# Altium PCB PRO.PcbDoc
Units mil, origin at the board's own origin, x right, y up, seen from the top; angles counter-clockwise.
Board outline 7000 x 3100 mil, 2 copper layers (Top Layer, Bottom Layer); 75 components, 157 nets, 600 pads, 100 vias.
Unrouted connection lines stored in the file: 54.
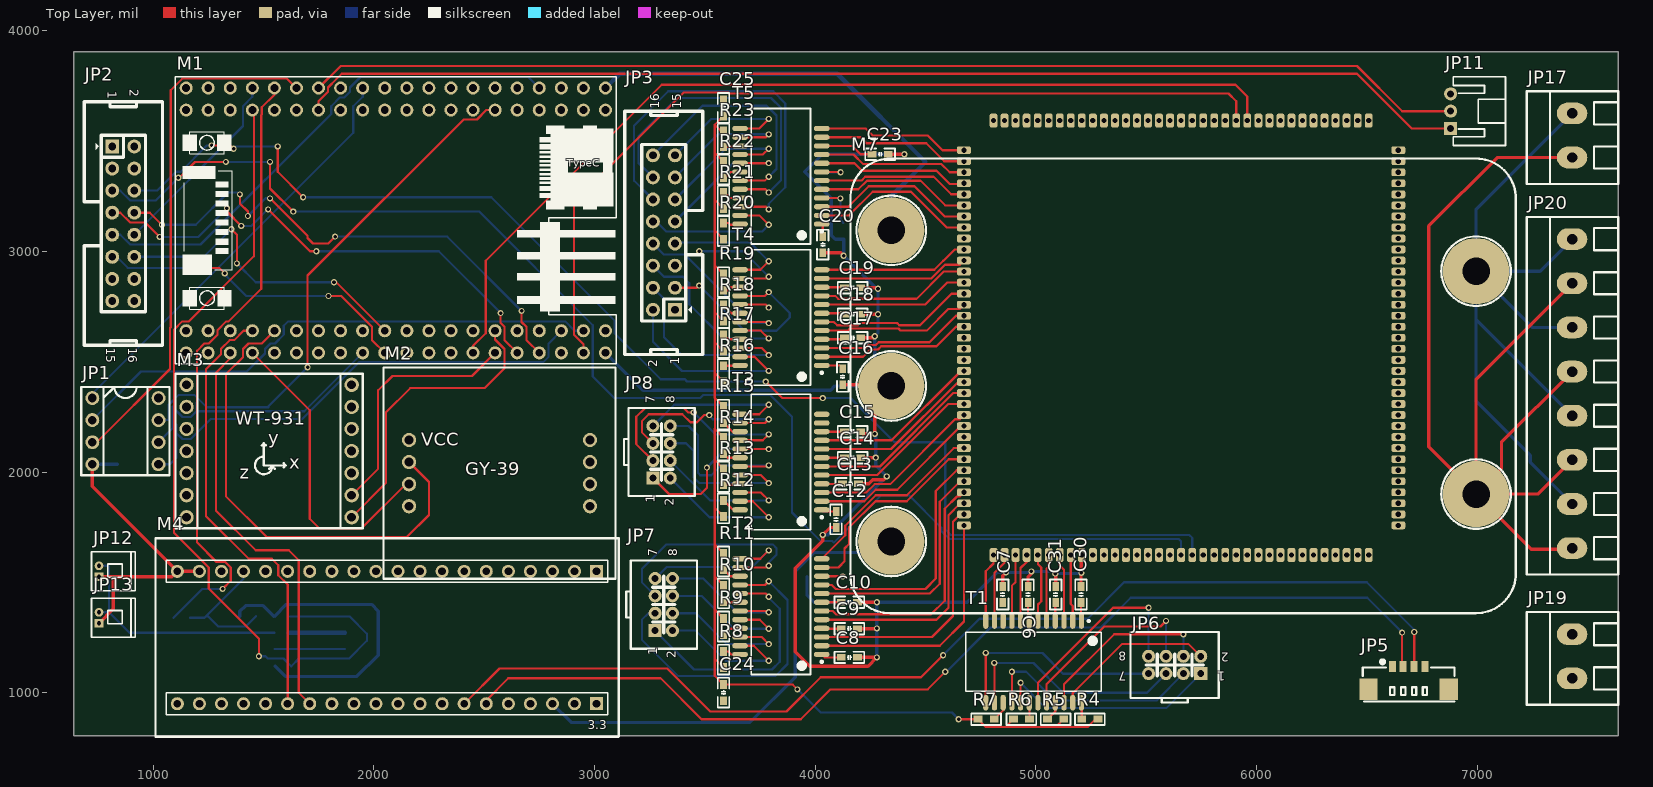
[diagram p0: Top Layer view]
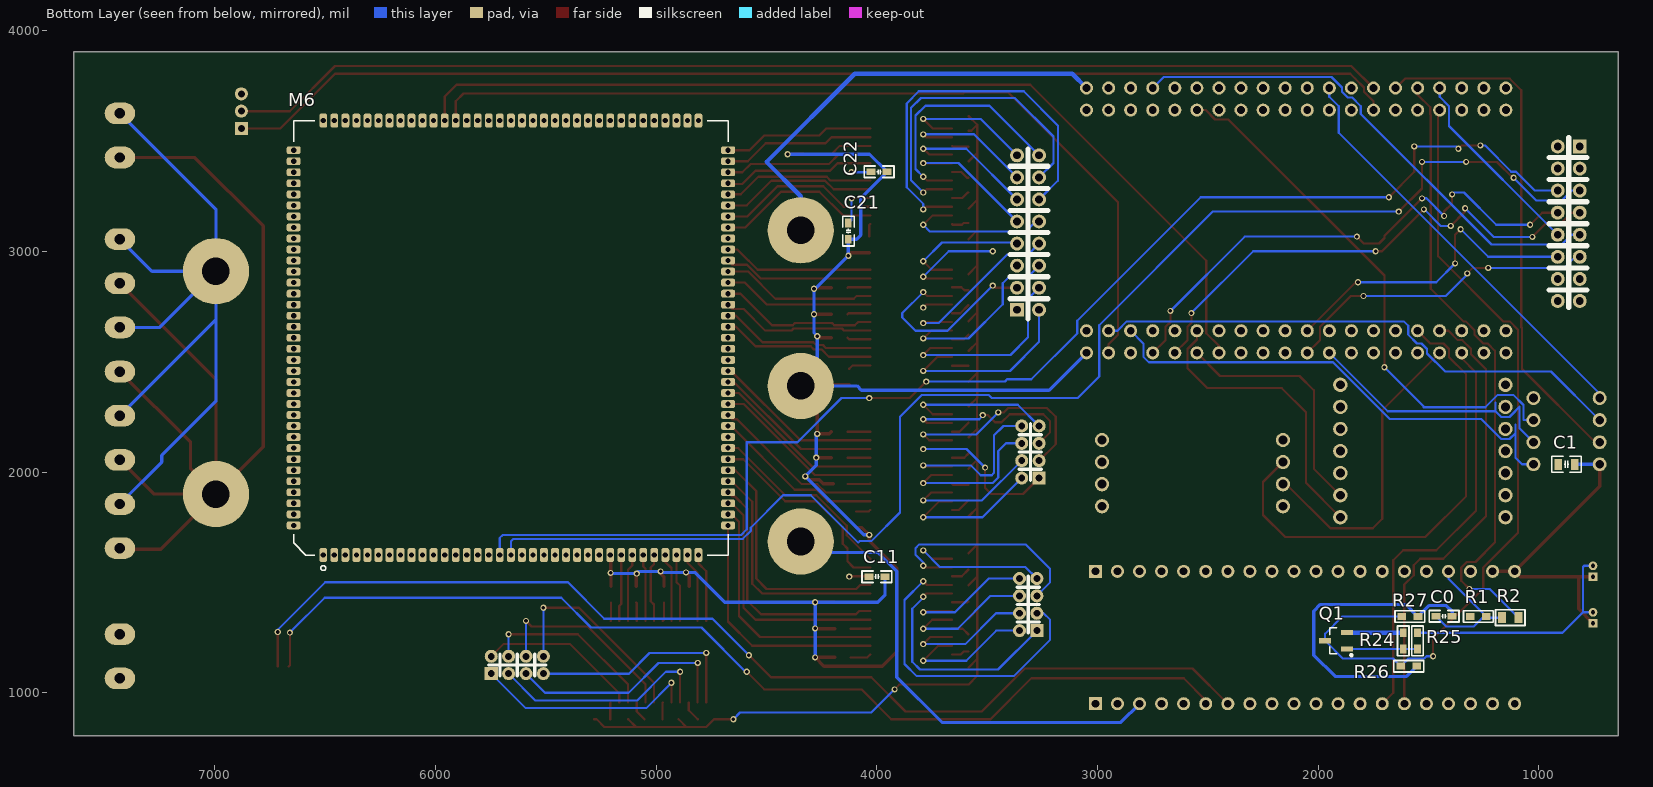
[diagram p1: Bottom Layer view, seen from below]

## Layer stack, top to bottom
Top Solder: solder mask 0.4, Solder Resist, Dk 3.5
Top Layer: signal copper 1.4
Dielectric 1: dielectric 12.6, FR-4, Dk 4.8
Bottom Layer: signal copper 1.4
Bottom Solder: solder mask 0.4, Solder Resist, Dk 3.5

## Board outline
640,805 7640,805 7640,3905 640,3905

## Design rules (kind name [scope] priority, off if disabled: settings)
Clearance [All] p1: gap=8 ignorepadtopadclearanceinfootprint=FALSE
PolygonConnect [All] p1: connectstyle=Relief reliefconductorwidth=10 reliefentries=4 polygonreliefangle="90 Angle" airgapwidth=10
RoomDefinition PRO3 [InComponentClass('PRO3')] p1: confinementstyle=ConfineIn formatcopy=TRUE lockcomponents=FALSE outline 7685,7550 11200,7550 11200,10690 7685,10690
RoomDefinition PRO2 [InComponentClass('PRO2')] p2: confinementstyle=ConfineIn formatcopy=TRUE lockcomponents=FALSE outline 7685,4545 20720,4545 20720,7500 7685,7500
RoomDefinition PRO1 [InComponentClass('PRO1')] p3: confinementstyle=ConfineIn formatcopy=TRUE lockcomponents=FALSE outline 7685,870 15780,870 15780,3090 7685,3090
RoutingVias RoutingVias_net [InNetClass('NET')] p1: holewidth=16 width=28 viastyle="Through Hole" minholewidth=12 minwidth=25 maxholewidth=20 maxwidth=35
RoutingVias [All] p2: holewidth=28 width=50 viastyle="Through Hole" minholewidth=12 minwidth=25 maxholewidth=400 maxwidth=1200
SolderMaskExpansion [All] p1: expansion=4
Width Width_gnd [InNet('GND')] p1: maxlimit=40 minlimit=8 preferedwidth=15 minimp=50.000000 maximp=50.000000 favimp=50.000000
Width Width_pgnd [InNet('PGND')] p2: maxlimit=40 minlimit=10 preferedwidth=15 minimp=50.000000 maximp=50.000000 favimp=50.000000
Width Width_5 [InNet('+5')] p3: maxlimit=40 minlimit=10 preferedwidth=15 minimp=50.000000 maximp=50.000000 favimp=50.000000
Width Width_12 [InNet('+12')] p4: maxlimit=40 minlimit=10 preferedwidth=15 minimp=50.000000 maximp=50.000000 favimp=50.000000
Width Width_3.3 [InNet('+3.3')] p5: maxlimit=40 minlimit=10 preferedwidth=20 minimp=50.000000 maximp=50.000000 favimp=50.000000
Width [All] p6: maxlimit=40 minlimit=8 preferedwidth=10 minimp=50.000000 maximp=50.000000 favimp=50.000000
30 further rules are at their usual default settings.

## Classes and differential pairs
net class power: +3.3 +5 +12 GND PGND
component class PRO3: JP17 JP19 JP20 M7
component class PRO2: C6 C7 C8 C9 C10 C11 C12 C13 C14 C15 C16 C17 C18 C19 C20 C21 C22 C23 C24 C25 C30 C31 JP3 JP6 JP7 JP8 M6 R4 R5 R6 R7 R8 R9 R10 R11 R12 R13 R14 R15 R16 R17 R18 R19 R20 R21 R22 R23 T1 T2 T3 T4 T5
component class PRO1: C0 C1 JP1 JP2 JP5 JP11 JP12 JP13 M1 M2 M3 Q1 R1 R2 R24 R25 R26 R27

## Components (designator, comment, footprint, x,y, rotation, side; value= is the part's Value field where it differs from the comment)
C0 "0.01uF" "C 0603_M" 1430,1346.26 r0 bottom
C1 "0.1uF" "C 0805_L" 875,2035 r0 bottom
C6 "0.1u" "C 0603_M" 4965,1445 r270 top
C7 "0.1u" "C 0603_M" 4850,1445 r270 top
C8 "0.1u" "C 0603_M" 4155,1160 r180 top
C9 "0.1u" "C 0603_M" 4155,1290 r180 top
C10 "0.1u" "C 0603_M" 4155,1410 r180 top
C11 "0.1u" "C 0603_M" 4000,1525.79 r0 bottom
C12 "0.1u" "C 0603_M" 4095,1785 r90 top
C13 "0.1u" "C 0603_M" 4160,1946.57 r180 top
C14 "0.1u" "C 0603_M" 4170,2064.69 r180 top
C15 "0.1u" "C 0603_M" 4170,2182.8 r180 top
C16 "0.1u" "C 0603_M" 4125,2431.5 r90 top
C17 "0.1u" "C 0603_M" 4170,2608.1 r180 top
C18 "0.1u" "C 0603_M" 4170,2715 r180 top
C19 "0.1u" "C 0603_M" 4170,2835 r180 top
C20 "0.1u" "C 0603_M" 4035,3030 r90 top
C21 "0.1u" "C 0603_M" 4129.13,3091.5 r90 bottom
C22 "0.1u" "C 0603_M" 3990,3360 r0 bottom
C23 "0.1u" "C 0603_M" 4295,3440 r180 top
C24 "0.01u" "C 0603_M" 3585,1000 r270 top
C25 "0.01u" "C 0603_M" 3585,3650 r90 top
C30 "0.1u" "C 0603_M" 5205,1445 r270 top
C31 "0.1u" "C 0603_M" 5090,1445 r270 top
JP1 "DIP-8插座" DIP-8座 725,2335 r0 top
JP2 "Header 8X2" IDC2.54-LI-2x8P 815,3475 r270 top
JP3 "Header 8X2" IDC2.54-LI-2x8P 3365,2735 r90 top
JP5 "HDR-1X4" "MX 1.25-LS-4P" 6690,1030 r0 top
JP6 "水面" PHB2.0-LI-2x4P 5629.37,1125.63 r180 top
JP7 "TX2" PHB2.0-LI-2x4P 3314.37,1399.37 r90 top
JP8 "预留" PHB2.0-LI-2x4P 3304.37,2090.63 r90 top
JP11 "HDR-1X3" PH2.0-WI-3P 6880,3635 r90 top
JP12 "HDR-1X2" "MX 1.25-WI-2P" 755,1550.39 r90 top
JP13 "HDR-1X2" "MX 1.25-WI-2P" 755,1339.61 r90 top
JP17 "HDR-1X2" KF128-5.08-2P 7430,3525 r90 top
JP19 "HDR-1X2" KF128-5.08-2P 7430,1165 r90 top
JP20 "HDR-1X8" KF128-5.08-8P 7430,2355 r90 top
M1 "FK750M2-VBT6核心板" FK750M2-VBT6(精简版) 2100,3140 r0 top
M2 "GY-39" GY-39 2160,2145 r0 top
M3 "WT-931" WT-931 1151.97,2395 r0 top
M4 "水深解算32" Deep_32 2696,2680 r0 top
M6 "HLK7621" HLK7621 5755,2625 r90 bottom
M7 "降压模块" 一号电压板 8945,-265 r90 top
Q1 "SS8550" SOT23-3M 1870,1235 r90 bottom
R1 "10K" "R 0603_M" 1275,1345 r0 bottom
R2 "330" "R 0805_L" 1130,1340 r0 bottom
R4 "75" "R 0603_M" 5245,880 r0 top
R5 "75" "R 0603_M" 5090,880 r0 top
R6 "75" "R 0603_M" 4935,880 r180 top
R7 "75" "R 0603_M" 4775,880 r180 top
R8 "75" "R 0603_M" 3585,1150 r270 top
R9 "75" "R 0603_M" 3585,1300 r90 top
R10 "75" "R 0603_M" 3585,1450 r90 top
R11 "75" "R 0603_M" 3585,1595 r90 top
R12 "75" "R 0603_M" 3585,1835 r270 top
R13 "75" "R 0603_M" 3585,1978.5 r90 top
R14 "75" "R 0603_M" 3585,2120 r90 top
R15 "75" "R 0603_M" 3585,2260 r90 top
R16 "75" "R 0603_M" 3585,2445 r270 top
R17 "75" "R 0603_M" 3585,2585 r270 top
R18 "75" "R 0603_M" 3585,2720 r270 top
R19 "75" "R 0603_M" 3585,2860 r90 top
R20 "75" "R 0603_M" 3585,3091.5 r270 top
R21 "75" "R 0603_M" 3585,3230 r270 top
R22 "75" "R 0603_M" 3585,3370 r90 top
R23 "75" "R 0603_M" 3585,3510 r90 top
R24 "27K" "R 0603_M" 1615,1235 r270 bottom
R25 "1K" "R 0603_M" 1550,1235 r90 bottom
R26 "1K" "R 0603_M" 1590,1120 r0 bottom
R27 "240" "R 0603_M" 1585,1345 r180 bottom
T1 "SG24002G" SG24002G 4990,1140 r270 top
T2 "SG24002G" SG24002G 3845,1390 r180 top
T3 "SG24002G" SG24002G 3845,2045 r180 top
T4 "SG24002G" SG24002G 3845,2699.68 r180 top
T5 "SG24002G" SG24002G 3845,3340 r180 top

## Footprints (in the part's own frame and the unit in brackets; to place one, negate y for a bottom-side part, rotate by r counter-clockwise, add the part's x,y. Pads: shape width x height; smd on the part's side, far side on the other; paste and mask are expansions set on the pad)
"C 0603_M" [mil] "无极性贴片电容"
  rect 40x30 smd: 1(-36.5,0) 2(36.5,0)
  silkscreen extent -68,-26 68,26, body extent -31,-16 31,16, height 32
"C 0805_L" [mil] "无极性贴片电容"
  rect 35x50 smd: 1(-37.4,0) 2(37.4,0)
  silkscreen extent -67,-36 67,36, body extent -39,-24 39,24, height 20
Deep_32 [mm]
  rect 1.5x1.5 hole 0.9: 1(7.976,-28.702) 40(7.976,-43.942)
  round 1.5 hole 0.9: 2(5.436,-28.702) 3(2.896,-28.702) 4(0.356,-28.702) 5(-2.184,-28.702) 6(-4.724,-28.702) 7(-7.264,-28.702) 8(-9.804,-28.702) 9(-12.344,-28.702) 10(-14.884,-28.702) 11(-17.424,-28.702) 12(-19.964,-28.702) 13(-22.504,-28.702) 14(-25.044,-28.702) 15(-27.584,-28.702) 16(-30.124,-28.702) 17(-32.664,-28.702) 18(-35.204,-28.702) 19(-37.744,-28.702) 20(-40.284,-28.702) 21(-40.284,-43.942) 22(-37.744,-43.942) 23(-35.204,-43.942) 24(-32.664,-43.942) 25(-30.124,-43.942) 26(-27.584,-43.942) 27(-25.044,-43.942) 28‘(-22.504,-43.942) 29(-19.964,-43.942) 30(-17.424,-43.942) 31(-14.884,-43.942) 32(-12.344,-43.942) 33(-9.804,-43.942) 34(-7.264,-43.942) 35(-4.724,-43.942) 36(-2.184,-43.942) 37(0.356,-43.942) 38(2.896,-43.942) 39(5.436,-43.942)
  silkscreen extent -42.8,-47.75 10.52,-24.89
DIP-8座 [mm]
  round 1.6 hole 1: 1(0,0) 2(0,-2.54) 3(0,-5.08) 4(0,-7.62) 5(7.62,-7.62) 6(7.62,-5.08) 7(7.62,-2.54) 8(7.62,0)
  silkscreen extent -1.27,-8.89 8.89,1.27
FK750M2-VBT6(精简版) [mm]
  round 1.5 hole 0.9: 1(24.13,-12.7) 2(24.13,-15.24) 3(21.59,-12.7) 4(21.59,-15.24) 5(19.05,-12.7) 6(19.05,-15.24) 7(16.51,-12.7) 8(16.51,-15.24) 9(13.97,-12.7) 10(13.97,-15.24) 11(11.43,-12.7) 12(11.43,-15.24) 13(8.89,-12.7) 14(8.89,-15.24) 15(6.35,-12.7) 16(6.35,-15.24) 17(3.81,-12.7) 18(3.81,-15.24) 19(1.27,-12.7) 20(1.27,-15.24) 21(-1.27,-12.7) 22(-1.27,-15.24) 23(-3.81,-12.7) 24(-3.81,-15.24) 25(-6.35,-12.7) 26(-6.35,-15.24) 27(-8.89,-12.7) 28(-8.89,-15.24) 29(-11.43,-12.7) 30(-11.43,-15.24) 31(-13.97,-12.7) 32(-13.97,-15.24) 33(-16.51,-12.7) 34(-16.51,-15.24) 35(-19.05,-12.7) 36(-19.05,-15.24) 37(-21.59,-12.7) 38(-21.59,-15.24) 39(-24.13,-12.7) 40(-24.13,-15.24) 41(24.13,15.24) 42(24.13,12.7) 43(21.59,15.24) 44(21.59,12.7) 45(19.05,15.24) 46(19.05,12.7) 47(16.51,15.24) 48(16.51,12.7) 49(13.97,15.24) 50(13.97,12.7) 51(11.43,15.24) 52(11.43,12.7) 53(8.89,15.24) 54(8.89,12.7) 55(6.35,15.24) 56(6.35,12.7) 57(3.81,15.24) 58(3.81,12.7) 59(1.27,15.24) 60(1.27,12.7) 61(-1.27,15.24) 62(-1.27,12.7) 63(-3.81,15.24) 64(-3.81,12.7) 65(-6.35,15.24) 66(-6.35,12.7) 67(-8.89,15.24) 68(-8.89,12.7) 69(-11.43,15.24) 70(-11.43,12.7) 71(-13.97,15.24) 72(-13.97,12.7) 73(-16.51,15.24) 74(-16.51,12.7) 75(-19.05,15.24) 76(-19.05,12.7) 77(-21.59,15.24) 78(-21.59,12.7) 79(-24.13,15.24) 80(-24.13,12.7)
  silkscreen extent -25.4,-16.51 25.4,16.51, body extent -25.4,-16.51 25.4,16.51, height 8.36
GY-39 [mil]
  round 65 hole 40: 1(0,0) 2(0,-100) 3(0,-200) 4(0,-300) 5(820,-300) 6(820,-200) 7(820,-100) 8(820,0)
  silkscreen extent -116,-628 936,328
HLK7621 [mm]
  rrect50% 1.6x0.9 hole 0.6: 1(-25.429,19.141) 2(-25.429,17.871) 3(-25.429,16.601) 4(-25.429,15.331) 5(-25.429,14.061) 6(-25.429,12.791) 7(-25.429,11.521) 8(-25.429,10.251) 9(-25.429,8.981) 10(-25.429,7.711) 11(-25.429,6.441) 12(-25.429,5.171) 13(-25.429,3.901) 14(-25.429,2.631) 15(-25.429,1.361) 16(-25.429,0.091) 17(-25.429,-1.179) 18(-25.429,-2.449) 19(-25.429,-3.719) 20(-25.429,-4.989) 21(-25.429,-6.259) 22(-25.429,-7.529) 23(-25.429,-8.799) 24(-25.429,-10.069) 25(-25.429,-11.339) 26(-25.429,-12.609) 27(-25.429,-13.879) 28(-25.429,-15.149) 29(-25.429,-16.419) 30(-25.429,-17.689) 31(-25.429,-18.959) 32(-25.429,-20.229) 33(-25.429,-21.499) 34(-25.429,-22.769) 35(-25.429,-24.039) 71(24.571,-24.039) 72(24.571,-22.769) 73(24.571,-21.499) 74(24.571,-20.229) 75(24.571,-18.959) 76(24.571,-17.689) 77(24.571,-16.419) 78(24.571,-15.149) 79(24.571,-13.879) 80(24.571,-12.609) 81(24.571,-11.339) 82(24.571,-10.069) 83(24.571,-8.799) 84(24.571,-7.529) 85(24.571,-6.259) 86(24.571,-4.989) 87(24.571,-3.719) 88(24.571,-2.449) 89(24.571,-1.179) 90(24.571,0.091) 91(24.571,1.361) 92(24.571,2.631) 93(24.571,3.901) 94(24.571,5.171) 95(24.571,6.441) 96(24.571,7.711) 97(24.571,8.981) 98(24.571,10.251) 99(24.571,11.521) 100(24.571,12.791) 101(24.571,14.061) 102(24.571,15.331) 103(24.571,16.601) 104(24.571,17.871) 105(24.571,19.141)
  rrect50% 0.9x1.6 hole 0.6: 36(-22.019,-27.449) 37(-20.749,-27.449) 38(-19.479,-27.449) 39(-18.209,-27.449) 40(-16.939,-27.449) 41(-15.669,-27.449) 42(-14.399,-27.449) 43(-13.129,-27.449) 44(-11.859,-27.449) 45(-10.589,-27.449) 46(-9.319,-27.449) 47(-8.049,-27.449) 48(-6.779,-27.449) 49(-5.509,-27.449) 50(-4.239,-27.449) 51(-2.969,-27.449) 52(-1.699,-27.449) 53(-0.429,-27.449) 54(0.841,-27.449) 55(2.111,-27.449) 56(3.381,-27.449) 56(3.381,-27.449) 57(4.651,-27.449) 58(5.921,-27.449) 59(7.191,-27.449) 60(8.461,-27.449) 61(9.731,-27.449) 62(11.001,-27.449) 63(12.271,-27.449) 64(13.541,-27.449) 65(14.811,-27.449) 66(16.081,-27.449) 67(17.351,-27.449) 68(18.621,-27.449) 69(19.891,-27.449) 70(21.161,-27.449) 106(21.161,22.551) 107(19.891,22.551) 108(18.621,22.551) 109(17.351,22.551) 110(16.081,22.551) 111(14.811,22.551) 112(13.541,22.551) 113(12.271,22.551) 114(11.001,22.551) 115(9.731,22.551) 116(8.461,22.551) 117(7.191,22.551) 118(5.921,22.551) 119(4.651,22.551) 120(3.381,22.551) 121(2.111,22.551) 122(0.841,22.551) 123(-0.429,22.551) 124(-1.699,22.551) 125(-2.969,22.551) 126(-4.239,22.551) 127(-5.509,22.551) 128(-6.779,22.551) 129(-8.049,22.551) 130(-9.319,22.551) 131(-10.589,22.551) 132(-11.859,22.551) 133(-13.129,22.551) 134(-14.399,22.551) 135(-15.669,22.551) 136(-16.939,22.551) 137(-18.209,22.551) 138(-19.479,22.551) 139(-20.749,22.551) 140(-22.019,22.551)
  silkscreen extent -27.21,-27.45 24.57,22.55
IDC2.54-LI-2x8P [mm] "16P简易牛角座"
  rect 1.6x1.6 hole 0.9: 1(0,0)
  round 1.6 hole 0.9: 2(0,2.54) 3(2.54,0) 4(2.54,2.54) 5(5.08,0) 6(5.08,2.54) 7(7.62,0) 8(7.62,2.54) 9(10.16,0) 10(10.16,2.54) 11(12.7,0) 12(12.7,2.54) 13(15.24,0) 14(15.24,2.54) 15(17.78,0) 16(17.78,2.54)
  silkscreen extent -5.14,-3.2 22.89,5.8, body extent -5.08,-3.08 22.86,5.77, height 9.17
KF128-5.08-2P [mm] "螺钉式接线端子，脚距5.08mm"
  oval 2.5x3.5 hole 1.2: 1(-2.54,0) 2(2.54,0)
  silkscreen extent -5.59,-5.31 5.08,5.21, body extent -5.58,-5.3 5.08,5.2, height 14.15
KF128-5.08-8P [mm] "螺钉式接线端子，脚距5.08mm"
  oval 2.5x3.5 hole 1.2: 1(-17.78,0) 2(-12.7,0) 3(-7.62,0) 4(-2.54,0) 5(2.54,0) 6(7.62,0) 7(12.7,0) 8(17.78,0)
  silkscreen extent -20.83,-5.31 20.32,5.21, body extent -20.82,-5.3 20.32,5.2, height 14.15
"MX 1.25-LS-4P" [mm] "长：9.75m，宽：3.7mm，高：4.7mm"
  rect 2.1x2.5 smd: 0(-4.632,-0.381) 0(4.604,-0.381)
  rect 0.8x1.3 smd: 1(-1.889,2.261) 2(-0.639,2.261) 3(0.611,2.261) 4(1.861,2.261)
  silkscreen extent -5.29,-1.78 5.27,2.99, body extent -5.07,-1.6 5.07,2.5, height 4.7
"MX 1.25-WI-2P" [mm] "长：4.25mm，宽：1.8mm，高：3.3mm"
  rect 1x1 hole 0.5: 1(-0.625,0)
  round 1 hole 0.5: 2(0.625,0)
  silkscreen extent -2.24,-4.19 2.24,0.85, body extent -2.12,-4.05 2.12,0.85, height 3.35
PH2.0-WI-3P [mm] "长：7.9mm，宽：6mm，高：4.7mm"
  rect 1.5x1.5 hole 0.8: 1(-2,0)
  round 1.5 hole 0.8: 2(0,0) 3(2,0)
  silkscreen extent -3.95,-6.3 3.95,-0.3, body extent -3.95,-6.3 3.95,0.3, height 4.75
PHB2.0-LI-2x4P [mm] "长：10mm，宽：7.3mm，高：7.8mm"
  rect 1.5x1.5 hole 0.8: 1(-3,1)
  round 1.5 hole 0.8: 2(-3,-1) 3(-1,1) 4(-1,-1) 5(1,1) 6(1,-1) 7(3,1) 8(3,-1)
  silkscreen extent -5.08,-3.81 5.08,4.32, body extent -5,-3.65 5,4.25, height 7.83
"R 0603_M" [mil] "1/10W贴片电阻"
  rect 40x31.5 smd: 1(-36.5,0) 2(36.5,0)
  silkscreen extent -68,-26 68,26, body extent -31,-16 31,16, height 16
"R 0805_L" [mil] "1/8W贴片电阻"
  rect 35x50 smd: 1(-37.4,0) 2(37.4,0)
  silkscreen extent -67,-36 67,36, body extent -39,-25 39,25, height 20
SG24002G [mm] "SOP, 24-Leads, Body 15.10x7.10mm, Pitch 1.00mm, IPC Medium Density"
  oval 1.8x0.6 smd: 1(-4.7,5.5) 2(-4.7,4.5) 3(-4.7,3.5) 4(-4.7,2.5) 5(-4.7,1.5) 6(-4.7,0.5) 7(-4.7,-0.5) 8(-4.7,-1.5) 9(-4.7,-2.5) 10(-4.7,-3.5) 11(-4.7,-4.5) 12(-4.7,-5.5) 13(4.7,-5.5) 14(4.7,-4.5) 15(4.7,-3.5) 16(4.7,-2.5) 17(4.7,-1.5) 18(4.7,-0.5) 19(4.7,0.5) 20(4.7,1.5) 21(4.7,2.5) 22(4.7,3.5) 23(4.7,4.5) 24(4.7,5.5)
  silkscreen extent -4.82,-7.8 3.4,7.8, body extent -3.8,-7.8 3.8,7.8, height 4.5
SOT23-3M [mm] "3x1.3x1mm(长宽高)"
  rect 0.6x1.4 smd: 1(-0.95,0) 2(0.95,0) 3(0,2.514)
  silkscreen extent -1.78,-0.63 1.5,1.97, body extent -1.5,0.07 1.5,2.47, height 1.05
WT-931 [mil]
  round 65 hole 40: 1(0,0) 2(0,-100) 3(0,-200) 4(0,-300) 5(0,-400) 6(0,-500) 7(0,-600) 8(748.03,-600) 9(748.03,-500) 10(748.03,-400) 11(748.03,-300) 12(748.03,-200) 13(748.03,-100) 14(748.03,0)
  silkscreen extent -50,-650 798,50
一号电压板 [mil]
  round 300 hole 125: 1(1950,4600) 2(2655,4600) 3(3360,4600) 4(2165,1950) 5(3175,1950)
  silkscreen extent 1625,1770 3685,4786, body extent 1844,1857 3466,4693, height 593

## Part data
C0 C1 C6 C7 C8 C9 C10 C11 C12 C13 C14 C15 C16 C17 C18 C19 C20 C21 C22 C23 C24 C25 C30 C31: library part C, "无极性贴片电容"
JP2 JP3: "8*2P接插件", BOM名称=8*, 学习资源=ww
JP5: library part "Header 4", "4P接插件", 学习资源=ww
JP6 JP7 JP8: library part "Header 4X2", "4*2P接插件", BOM名称=4*, 学习资源=ww
JP11: library part "Header 3", "3P接插件", 学习资源=ww
JP12 JP13 JP17 JP19: library part "Header 2", "2P接插件"
  JP12 JP13: 学习资源=ww
JP20: library part "Header 8", "8P接插件"
M1: library part FK750M2-VBT6
M2: "气压温湿度光强传感器"
M3: "WT-931姿态角度传感器"
M4: library part Deep_32, "水深传感器解算用的stm32模块"
M7: library part 一号电压板
Q1: library part 8550-SMD, "高频放大-PNP型", 学习资源=ww, 属性="40V 1.5A 1W 10"
R1 R2 R4 R5 R6 R7 R8 R9 R10 R11 R12 R13 R14 R15 R16 R17 R18 R19 R20 R21 R22 R23 R24 R25 R26 R27: library part R, "贴片电阻"

## Via types
v1: diameter 28, hole 16, Top Layer to Bottom Layer, 100 vias

## Nets (pads, with @x,y where several pads share a name; then routed paths per layer and width w, separated by ;. In a path a pad name is that pad's centre, name@x,y a point inside that pad or via, vN(x,y) a via of type N, cw(c..) or ccw(c..) an arc to the next point about the centre after c; other vN are vias at no path point)
+3.3: C1.2 JP1.8 JP2.3 JP2.4 M1.39 M1.41 M2.1 M3.1 M4.1 M4.18 M4.40 M6.1 M6.2 M6.3 M6.4 M7.3 Q1.2 R1.2 R24.1 | length 2272.2
  Bottom Layer w20: R24.1 1615.9,1272.4 Q1.2 ; M1.41 3115,3805 4100,3805 4500,3405 4345,3250 M7.3
+5: JP2.1 JP2.2 JP5.4 JP19.1 M1.42 M4.38 M7.1 | length 2191
  Bottom Layer w15: M4.38 2895,865 3705,865 3910,1070 3910,1550 3995,1635 4295,1635 M7.1
+12: JP17.1 JP20.1 JP20.3 JP20.5 JP20.7 M7.4 | length 4992.7
  Top Layer w15: JP20.1 7425,1650 7245,1650 M7.4 ; JP20.3 7275,1900 M7.4 ; JP20.5 7110,2135 7110,2015 M7.4 ; JP20.7 6995,2420 M7.4 ; JP17.1 7090,3425 6780,3115 6780,2115 M7.4
"BK1 C\S\": JP1.1 M1.63 | length 1912.4
  Bottom Layer w10: JP1.1 725,2355 1907.47,3537.47 1907.47,3657.62 1950,3700.14 M1.63
"BK1 CLK": JP1.6 M1.24 | length 1267.8
  Bottom Layer w10: JP1.6 1088.47,2198.47 1088.47,2295.85 1106.47,2277.85 1106.47,2276.15 1133.12,2249.5 1170.81,2249.5 1197.47,2276.15 ; M1.24 1685,2275 1196.31,2275 1197.47,2276.15 ; 1197.47,2276.15 1197.47,2313.85 1197.47,2276.15
"BK1 DI(IO0)": JP1.5 M1.5 | length 2273.5
  Bottom Layer w10: JP1.5 1076.61,2035 1106.47,2064.85 1106.47,2213.85 1106.47,2176.15 1133.12,2149.5 1170.81,2149.5 1261.81,2240.5 1675.96,2240.5 1932.93,2497.47 2767.62,2497.47 2792.53,2522.38 2792.53,2582.53 M1.5
"BK1 DO(IO1)": JP1.2 M1.3 | length 2463.4
  Bottom Layer w10: JP1.2 945,2455 1425.14,2455 1507.47,2537.33 1507.47,2557.62 1532.38,2582.53 1552.67,2582.53 1592.53,2622.38 1592.53,2662.58 1612.47,2682.53 2867.62,2682.53 2910.14,2640 M1.3
"BK1 H\O\L\D\(IO3)": JP1.7 M1.52 | length 2439.8
  Top Layer w10: v1(1700,2475) 1700,2890 2407.47,3597.47 2467.62,3597.47 2510.14,3640 M1.52
  Bottom Layer w10: JP1.7 1070.47,2235 1070.47,2303.3 1116.66,2349.5 1187.27,2349.5 1243.77,2293 1523,2293 1523,2298 v1(1700,2475)
"BK1 W\P\(IO2)": JP1.3 M1.69 | length 2363.2
  Top Layer w10: JP1.3 745,2135 1077,2467 1077,2652.6 1080,2655.6 1080,3730.14 1132.38,3782.53 1607.47,3782.53 M1.69
GND: C0.1 C1.1 C6.1 C7.1 C8.1 C9.1 C10.1 C11.1 C12.1 C13.1 C14.1 C15.1 C16.1 C17.1 C18.1 C19.1 C20.1 C21.1 C22.1 C23.1 C24.2 C25.2 C30.1 C31.1 JP1.4 JP2.15 JP2.16 JP5.1 JP11.3 JP12.1 JP13.1 JP19.2 M1.1 M1.2 M2.4 M3.14 M4.19 M4.20 M4.39 M6.5 M6.6 M6.7 M6.8 M6.19 M6.24 M6.27 M6.44 M6.53 M6.62 M6.92 M6.119 M6.125 M7.2 R26.1 R27.2 | length 11037.6
  Top Layer w15: JP1.4 725,1935 M4.20 ; JP13.1 755.55,1315 820,1379.45 820,1525.79 ; JP12.1 820,1525.79 ; M4.19 M4.20 ; C20.1 4115.63,2993.5 v1(4129.13,2980) ; C12.1 4068.5,1748.5 v1(4035,1715) 4035,1688.5 3910,1563.5 3910,1185 3975,1120 4240,1120 v1(4280,1160) C8.1 ; C16.1 4340,2395 M7.2 4270,2315 v1(4270,2172.8) 4216.5,2172.8 C15.1 ; C9.1 4278.43,1290 v1(4280,1291.57) ; C10.1 4279.69,1410 v1(4280,1409.69) ; C13.1 4242.58,1946.57 4261.51,1965.5 4310.5,1965.5 v1(4325,1980) ; C14.1 4206.81,2065 v1(4275,2065) ; C17.1 4263.1,2608.1 v1(4270,2615) ; C18.1 v1(4285,2715) ; C19.1 4280,2835 v1(4285,2830) ; C23.1 v1(4405,3440) ; C7.1 4850,1530 v1(4865,1545) ; C6.1 4965,1525 4980,1540 v1(4980,1549.23) ; v1(5088.43,1540) 5090,1538.43 C31.1 ; C30.1 5205,1541.3 v1(5206.54,1542.83) 5206.54,1621.82 M6.27 ; 820,1525.79 1085.79,1525.79 M4.20